# Allegro board Single PMT Data AcquisitionV_3P3.brd (continued)
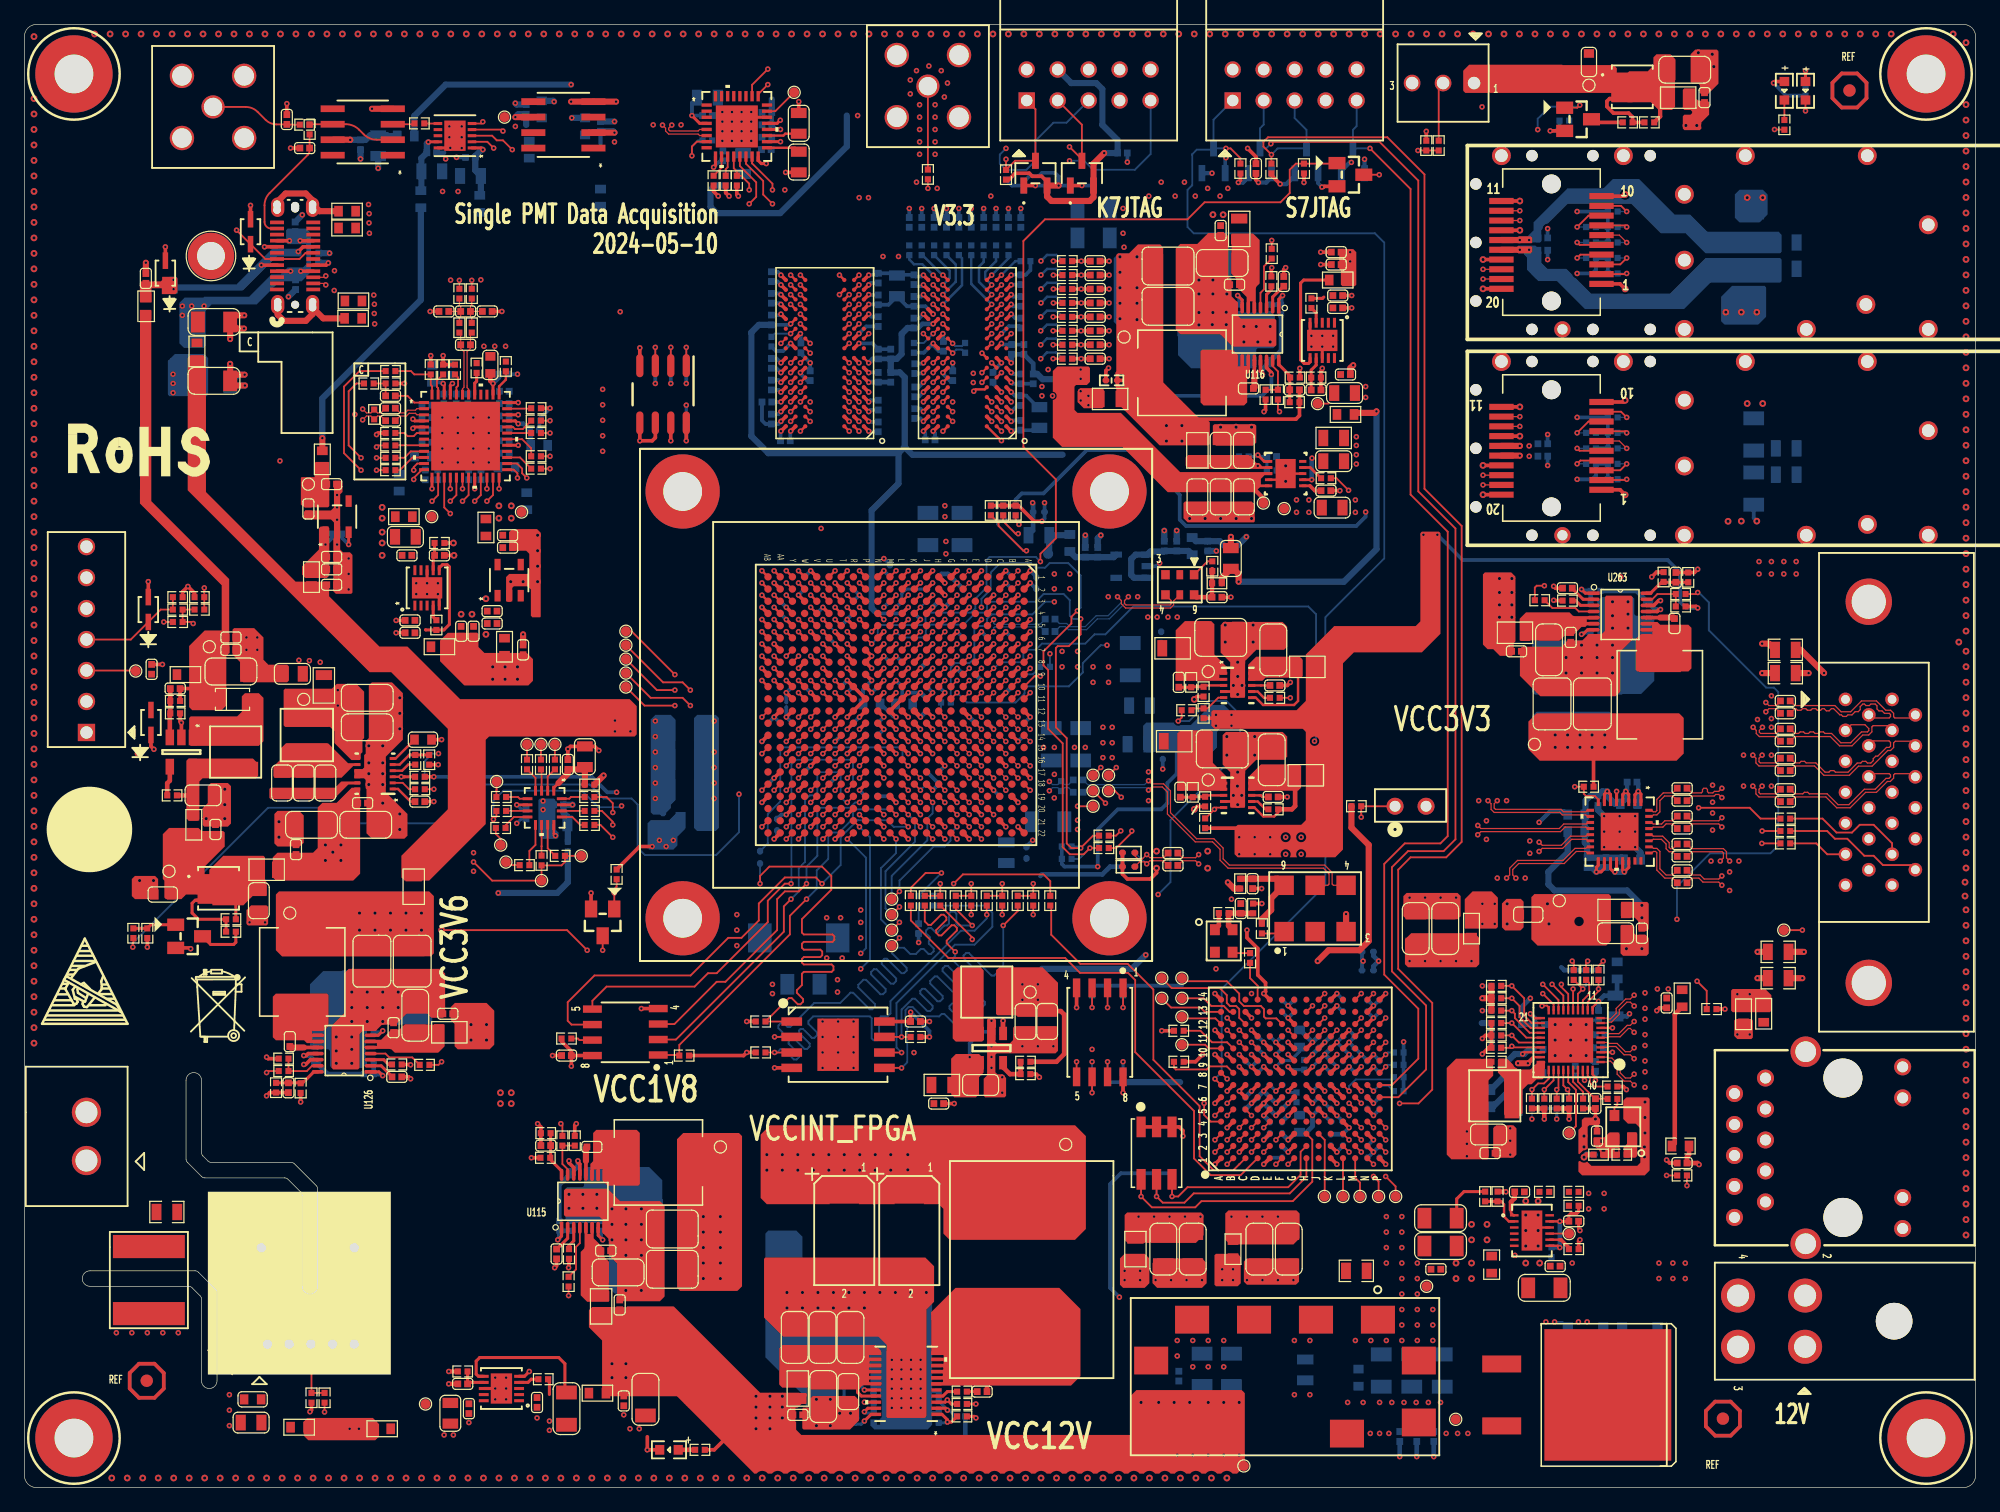
[diagram p0: board, top side]
## Routing (per net, layer and track width the routed paths; a pad name or vN(x,y) marks a point on that pad's centre or on a via; arc(x,y) is an arc through that point) (continued)
AD9265_CSB: length 43.6
  TOP w0.152: U1.W17 v1(63.48,58.19) ; R979.1 v1(43.1,87.5)
  ART03 w0.102: v1(63.48,58.19) 62.84,58.19 61.85,59.18 61.85,61.21 60.88,62.18 60.09,62.18 59.73,61.82 54.9,61.82 49.99,66.73 49.99,78.84 47.93,80.9 47.93,82.23 43.1,87.06 v1(43.1,87.5)
AD9265_DATA0: length 64.4
  TOP w0.152: U1.U21 v1(65.48,54.19) ; R2076.2 v1(28.88,84.45)
  ART03 w0.102: v1(65.48,54.19) 65.02,53.74 65.02,53.09 63.47,51.54 54.43,51.54 53.87,50.98 46.32,50.98 44.23,53.06 44.23,53.75 43.8,54.18 42.84,54.18 41.72,55.3 41.72,57.89 28.7,70.91 28.7,75.6 28.8,75.7 28.86,75.7 28.96,75.8 28.96,76 28.86,76.11 28.8,76.11 28.7,76.21 28.7,82.55 29.36,83.21 29.36,83.97 v1(28.88,84.45)
AD9265_DATA1: length 63.3
  TOP w0.152: R2077.2 v1(28.88,83.44) ; U1.U22 v1(65.48,53.19)
  ART03 w0.102: v1(65.48,53.19) 65.48,52.4 64.26,51.18 54.58,51.18 54.1,50.7 46.2,50.7 43.96,52.95 43.96,53.63 43.69,53.9 42.73,53.9 41.44,55.18 41.44,57.78 28.19,71.02 28.19,82.76 v1(28.88,83.44)
AD9265_DATA2: length 67
  TOP w0.152: U1.W20 v1(63.48,55.19) ; v1(31.92,83.44) 31.92,83.69 32.21,83.98 U102.11
  ART03 w0.102: v1(31.92,83.44) 30.69,83.44 30.51,83.62 30.37,83.62 30.23,83.47 30.23,83.33 30.4,83.15 30.4,83.01 30.07,82.68 30.07,75.72 29.97,75.62 29.6,75.62 29.5,75.51 29.5,75.31 29.6,75.21 29.97,75.21 30.07,75.11 30.07,74.5 29.97,74.4 29.59,74.4 29.49,74.3 29.49,74.09 29.59,73.99 29.97,73.99 30.07,73.89 30.07,73.71 29.26,72.9 29.26,72.42 29.36,72.32 29.72,72.32 29.82,72.22 29.82,72.01 29.72,71.91 29.36,71.91 29.26,71.81 29.26,71.3 30.05,70.51 30.65,70.51 30.89,70.27 30.89,69.52 43,57.4 43,55.27 43.43,54.84 43.93,54.84 44.86,53.92 44.86,53.47 46.79,51.54 53.57,51.54 54.13,52.1 63.02,52.1 63.87,52.95 63.87,54.8 v1(63.48,55.19)
AD9265_DATA3: length 63.8
  TOP w0.152: v1(31.92,82.68) 31.92,82.8 32.6,83.48 U102.12 ; U1.W22 v1(63.48,53.19)
  ART03 w0.102: v1(31.92,82.68) 30.78,82.68 30.48,82.38 30.48,82 30.58,81.89 31.17,81.89 31.27,81.79 31.27,81.59 31.17,81.49 30.51,81.49 30.4,81.39 30.4,81.18 30.51,81.08 31.17,81.08 31.27,80.98 31.27,80.78 31.17,80.67 30.51,80.67 30.4,80.57 30.4,80.37 30.51,80.27 31.17,80.27 31.27,80.17 31.27,79.96 31.17,79.86 30.51,79.86 30.4,79.76 30.4,73.07 30.3,72.97 29.93,72.97 29.83,72.86 29.83,72.66 29.93,72.56 30.3,72.56 30.4,72.46 30.4,71.77 31.17,71.01 31.17,69.65 43.36,57.46 43.36,55.32 43.56,55.12 44.38,55.12 45.21,54.28 45.21,53.57 46.96,51.82 53.1,51.82 53.74,52.45 62.74,52.45 v1(63.48,53.19)
AD9265_DATA4: length 62.9
  TOP w0.152: U102.14 33.93,81.4 v1(33.43,80.9) ; U1.Y22 v1(62.48,53.19)
  ART03 w0.102: v1(33.43,80.9) 32.61,80.09 32.61,77.65 32.51,77.55 31.93,77.55 31.83,77.45 31.83,77.24 31.93,77.14 32.51,77.14 32.61,77.04 32.61,76.84 32.51,76.73 31.93,76.73 31.83,76.63 31.83,76.43 31.93,76.33 32.51,76.33 32.61,76.23 32.61,76.02 32.51,75.92 31.93,75.92 31.83,75.82 31.83,75.62 31.93,75.51 32.51,75.51 32.61,75.41 32.61,72.87 32.51,72.77 31.93,72.77 31.83,72.67 31.83,72.47 31.93,72.36 32.51,72.36 32.61,72.26 32.61,72.06 32.51,71.96 31.93,71.96 31.83,71.86 31.83,71.65 31.93,71.55 32.51,71.55 32.61,71.45 32.61,71.25 32.51,71.15 31.93,71.15 31.83,71.04 31.83,70.84 31.93,70.74 32.51,70.74 32.61,70.64 32.61,70.33 32.51,70.23 32.03,70.23 31.93,70.13 31.93,69.93 32.03,69.82 32.51,69.82 32.61,69.72 32.61,69.04 43.99,57.66 43.99,56.01 44.15,55.85 44.5,55.85 45.95,54.41 45.95,53.8 47.35,52.4 49.1,52.4 50.29,53.59 61.64,53.59 62.04,53.19 v1(62.48,53.19)
AD9265_DATA5: length 69.2
  TOP w0.152: U1.U20 v1(65.48,55.19) ; U102.15 34.43,80.38 v1(34.93,79.88)
  ART03 w0.102: v1(34.93,79.88) 34.62,79.88 34.52,79.78 34.52,79.48 34.42,79.38 33.88,79.38 33.78,79.27 33.78,79.07 33.88,78.97 34.42,78.97 34.52,78.87 34.52,78.56 34.62,78.46 35.81,78.46 35.92,78.36 35.92,78.16 35.81,78.05 34.62,78.05 34.42,77.85 34.22,77.85 34.12,77.75 34.12,77.55 34.22,77.44 34.42,77.44 34.52,77.34 34.52,77.14 34.42,77.04 34.22,77.04 34.12,76.94 34.12,76.73 34.22,76.63 34.42,76.63 34.52,76.53 34.52,76.33 34.42,76.23 34.22,76.23 34.12,76.12 34.12,75.92 34.22,75.82 34.42,75.82 34.52,75.72 34.52,75.34 34.42,75.23 33.55,75.23 33.45,75.13 33.45,74.93 33.55,74.83 34.42,74.83 34.52,74.73 34.52,74.4 34.62,74.3 35.43,74.3 35.53,74.2 35.53,73.99 35.43,73.89 34.62,73.89 34.52,73.79 34.52,73.59 34.62,73.49 35.2,73.49 35.31,73.38 35.31,73.18 35.2,73.08 34.62,73.08 34.52,72.98 34.52,70.05 34.42,69.95 33.62,69.95 33.52,69.84 33.52,69.64 33.62,69.54 34.42,69.54 34.52,69.44 34.52,69.33 34.42,69.23 34.12,69.23 34.02,69.12 34.02,68.92 34.12,68.82 34.42,68.82 34.52,68.72 34.52,68.48 45.25,57.75 45.25,57.05 45.96,56.34 45.96,55.61 46.86,54.71 46.86,54.33 47.4,53.8 48.46,53.8 49.02,54.36 59.96,54.36 60.2,54.59 61.05,54.59 61.92,53.72 62.61,53.72 62.87,53.98 62.87,55.25 63.21,55.59 64.73,55.59 65.2,55.12 65.4,55.12 v1(65.48,55.19)
AD9265_DATA6: length 64.3
  TOP w0.152: U102.16 v1(34.93,81.92) ; U1.W21 v1(63.48,54.19)
  ART03 w0.102: v1(34.93,81.92) 34.52,82.32 33.26,82.32 31.55,80.61 31.55,77.04 31.45,76.94 30.84,76.94 30.73,76.84 30.73,76.64 30.84,76.53 31.45,76.53 31.55,76.43 31.55,76.23 31.45,76.13 30.84,76.13 30.73,76.03 30.73,75.82 30.84,75.72 31.45,75.72 31.55,75.62 31.55,75.42 31.45,75.31 30.84,75.31 30.73,75.21 30.73,75.01 30.84,74.91 31.45,74.91 31.55,74.81 31.55,74.6 31.45,74.5 30.84,74.5 30.73,74.4 30.73,74.2 30.84,74.1 31.45,74.1 31.55,73.99 31.55,69.7 43.66,57.59 43.66,55.52 43.76,55.42 44.47,55.42 45.49,54.4 45.49,53.82 47.19,52.12 53.01,52.12 53.67,52.78 62.69,52.78 62.99,53.09 62.99,53.34 63.08,53.43 63.08,53.8 v1(63.48,54.19)
AD9265_DATA7: length 63.9
  TOP w0.152: v1(34.93,80.9) 35.43,81.4 U102.17 ; U1.AB21 v1(60.48,54.19)
  ART03 w0.102: v1(60.48,54.19) 60.36,54.08 50.14,54.08 48.74,52.68 47.62,52.68 46.43,53.87 46.43,54.61 45.57,55.47 45.57,56.06 44.83,56.79 44.83,57.44 33.12,69.15 33.12,70.27 33.22,70.37 34.14,70.37 34.24,70.47 34.24,70.67 34.14,70.77 33.22,70.77 33.12,70.88 33.12,71.08 33.22,71.18 34.14,71.18 34.24,71.28 34.24,71.48 34.14,71.59 33.22,71.59 33.12,71.69 33.12,71.89 33.22,71.99 34.14,71.99 34.24,72.09 34.24,72.3 34.14,72.4 33.22,72.4 33.12,72.5 33.12,72.81 33.43,73.11 33.43,74.34 32.89,74.87 32.89,75.51 32.99,75.61 33.73,75.61 33.83,75.72 33.83,75.92 33.73,76.02 32.99,76.02 32.89,76.12 32.89,76.33 32.99,76.43 33.73,76.43 33.83,76.53 33.83,76.73 33.73,76.83 32.99,76.83 32.89,76.94 32.89,77.14 32.99,77.24 33.73,77.24 33.83,77.34 33.83,77.55 33.73,77.65 32.99,77.65 32.89,77.75 32.89,77.95 32.99,78.05 33.55,78.05 33.65,78.15 33.65,78.36 33.55,78.46 32.99,78.46 32.89,78.56 32.89,78.87 v1(34.93,80.9)
AD9265_DATA8: length 64.2
  TOP w0.152: U1.Y21 v1(62.48,54.19) ; U102.18 v1(35.93,81.92)
  ART03 w0.102: v1(35.93,81.92) 35.45,81.44 35.45,80.21 35.56,80.11 36.12,80.11 36.22,80.01 36.22,79.8 36.12,79.7 35.56,79.7 35.45,79.6 35.45,79.22 36.2,78.47 36.2,77.78 36.09,77.68 35.79,77.68 35.68,77.58 35.68,77.38 35.79,77.28 36.09,77.28 36.2,77.17 36.2,76.97 36.09,76.87 35.79,76.87 35.68,76.77 35.68,76.56 35.79,76.46 36.09,76.46 36.2,76.36 36.2,75.85 36.09,75.75 35.04,75.75 34.94,75.65 34.94,75.44 35.04,75.34 36.09,75.34 36.2,75.24 36.2,75.08 36.09,74.98 35.76,74.98 35.66,74.88 35.66,74.68 35.76,74.57 36.09,74.57 36.2,74.47 36.2,73.45 34.8,72.05 34.8,71.74 34.9,71.64 35.26,71.64 35.36,71.54 35.36,71.34 35.26,71.24 34.9,71.24 34.8,71.13 34.8,70.79 34.9,70.69 35.71,70.69 35.82,70.59 35.82,70.38 35.71,70.28 34.9,70.28 34.8,70.18 34.8,69.98 34.9,69.88 35.71,69.88 35.82,69.78 35.82,69.57 35.71,69.47 34.9,69.47 34.8,69.37 34.8,68.71 35.01,68.49 35.16,68.49 35.6,68.93 35.74,68.93 35.89,68.79 35.89,68.64 35.45,68.2 35.45,68.06 35.66,67.84 35.8,67.84 36.4,68.44 36.54,68.44 36.69,68.29 36.69,68.15 36.09,67.56 36.09,67.41 45.57,57.94 45.57,57.23 46.51,56.29 46.51,55.47 47.12,54.86 61.81,54.86 v1(62.48,54.19)
AD9265_DATA9: length 69
  TOP w0.152: U1.T18 v1(66.48,57.19) ; v1(35.93,80.9) 36.43,81.4 U102.19
  ART03 w0.102: v1(35.93,80.9) 36.5,80.33 36.5,79.77 36.6,79.67 37.01,79.67 37.11,79.56 37.11,79.36 37.01,79.26 36.6,79.26 36.5,79.16 36.5,78.74 37.39,77.85 37.39,77.55 37.29,77.44 36.58,77.44 36.47,77.34 36.47,77.14 36.58,77.04 37.29,77.04 37.39,76.94 37.39,76.73 37.29,76.63 36.58,76.63 36.47,76.53 36.47,76.33 36.58,76.23 37.29,76.23 37.39,76.12 37.39,75.92 37.29,75.82 36.58,75.82 36.47,75.72 36.47,75.51 36.58,75.41 37.29,75.41 37.39,75.31 37.39,75.11 37.29,75.01 36.58,75.01 36.47,74.9 36.47,74.7 36.58,74.6 37.29,74.6 37.39,74.5 37.39,74.29 37.29,74.19 36.58,74.19 36.47,74.09 36.47,73.89 36.58,73.79 37.29,73.79 37.39,73.69 37.39,72.97 37.29,72.87 36.22,72.87 36.12,72.77 36.12,72.57 36.22,72.47 37.29,72.47 37.39,72.37 37.39,71.27 37.29,71.17 36.7,71.17 36.6,71.06 36.6,70.86 36.7,70.76 37.29,70.76 37.39,70.66 37.39,70.45 37.29,70.35 36.7,70.35 36.6,70.25 36.6,70.05 36.7,69.95 37.29,69.95 37.39,69.84 37.39,69.18 36.88,68.67 36.88,68.53 37.02,68.39 37.17,68.39 37.89,69.11 38.04,69.11 38.94,68.21 38.94,64.96 43.37,60.53 43.48,60.53 47.62,56.39 49.17,56.39 50.41,55.15 61.25,55.15 61.69,55.59 62.73,55.59 63.02,55.88 64.23,55.88 64.31,55.8 65.64,55.8 65.72,55.88 65.91,55.88 66.17,56.13 66.17,56.88 v1(66.48,57.19)
AD9265_DATA10: length 69.4
  TOP w0.152: U102.21 37.43,81.4 v1(36.93,80.9) ; U1.U18 v1(65.48,57.19)
  ART03 w0.102: v1(36.93,80.9) 36.93,80.35 37.39,79.88 37.39,79.25 37.77,78.87 38.3,78.87 38.4,78.77 38.4,78.56 38.3,78.46 37.77,78.46 37.67,78.36 37.67,78.16 37.77,78.05 38.3,78.05 38.4,77.95 38.4,77.75 38.3,77.65 37.77,77.65 37.67,77.55 37.67,77.24 37.77,77.14 39.22,77.14 39.32,77.04 39.32,76.83 39.22,76.73 37.77,76.73 37.67,76.63 37.67,76.43 37.77,76.33 39.22,76.33 39.32,76.23 39.32,76.02 39.22,75.92 37.77,75.92 37.67,75.82 37.67,74.52 38.46,73.74 39.8,73.74 39.9,73.63 39.9,73.43 39.8,73.33 38.46,73.33 38.35,73.23 38.35,72.46 38.25,72.36 38.08,72.36 37.98,72.26 37.98,72.05 38.08,71.95 38.25,71.95 38.35,71.85 38.35,71.65 38.25,71.55 38.08,71.55 37.98,71.45 37.98,71.24 38.08,71.14 38.25,71.14 38.35,71.04 38.35,70.73 38.46,70.63 40.08,70.63 40.18,70.53 40.18,70.33 40.08,70.23 38.46,70.23 38.35,70.12 38.35,69.19 39.12,68.42 39.26,68.42 39.51,68.67 39.65,68.67 39.8,68.52 39.8,68.38 39.55,68.14 39.55,67.99 39.9,67.64 39.9,66.98 40.08,66.8 40.57,66.8 40.89,66.48 40.89,64.82 41.04,64.67 41.04,64.53 40.74,64.23 40.74,64.08 40.89,63.94 41.03,63.94 41.33,64.24 41.48,64.24 41.62,64.09 41.62,63.95 41.32,63.65 41.32,63.51 41.46,63.36 41.61,63.36 41.91,63.66 42.05,63.66 44.97,60.74 44.97,59.8 47.24,57.53 48.63,57.53 50.73,55.43 61.14,55.43 61.51,55.8 62.64,55.8 63.43,56.59 64.87,56.59 v1(65.48,57.19)
AD9265_DATA11: length 69.5
  TOP w0.152: U102.22 v1(37.93,81.92) ; U1.Y19 v1(62.48,56.19)
  ART03 w0.102: v1(37.93,81.92) 37.52,81.51 37.52,80.24 39.29,78.47 39.43,78.47 39.72,78.76 39.86,78.76 40,78.61 40,78.47 39.72,78.19 39.72,78.04 41.4,76.36 41.4,76.06 41.3,75.96 39.8,75.96 39.7,75.85 39.7,75.65 39.8,75.55 41.3,75.55 41.4,75.45 41.4,75.33 41.3,75.23 39.9,75.23 39.79,75.13 39.79,74.92 39.9,74.82 41.3,74.82 41.4,74.72 41.4,73.75 41.3,73.65 40.39,73.65 40.28,73.55 40.28,73.35 40.39,73.24 41.3,73.24 41.4,73.14 41.4,72.84 41.3,72.74 38.89,72.74 38.79,72.63 38.79,72.43 38.89,72.33 41.3,72.33 41.4,72.23 41.4,72.03 41.3,71.92 38.89,71.92 38.79,71.82 38.79,71.62 38.89,71.52 41.3,71.52 41.4,71.42 41.4,69.57 41.3,69.47 39.19,69.47 39.09,69.37 39.09,69.16 39.19,69.06 41.3,69.06 41.4,68.96 41.4,66.86 41.4,66.85 41.4,64.85 45.25,60.99 45.25,60.03 47.37,57.91 48.64,57.91 50.8,55.75 60.96,55.75 61.4,56.19 v1(62.48,56.19)
AD9265_DATA12: length 71
  TOP w0.152: U102.23 38.43,81.4 v1(37.93,80.9) ; U1.U17 v1(65.48,58.19)
  ART03 w0.102: v1(65.48,58.19) 65.02,57.74 65.02,57.15 64.67,56.8 62.13,56.8 61.75,56.42 60.81,56.42 60.64,56.59 59.86,56.59 59.35,56.08 50.87,56.08 48.76,58.19 48.28,58.19 47.55,58.93 46.86,58.93 45.53,60.26 45.53,61.11 42.88,63.77 42.88,66.59 42.77,66.69 42.35,66.69 42.25,66.8 42.25,67 42.35,67.1 42.77,67.1 42.88,67.2 42.88,67.41 42.77,67.51 42.35,67.51 42.25,67.61 42.25,67.81 42.35,67.91 42.77,67.91 42.88,68.01 42.88,68.21 42.77,68.31 42.47,68.31 42.37,68.41 42.37,68.62 42.47,68.72 42.77,68.72 42.88,68.82 42.88,69.12 42.77,69.23 42.04,69.23 41.94,69.33 41.94,69.53 42.04,69.63 42.77,69.63 42.88,69.73 42.88,69.94 42.77,70.04 42.04,70.04 41.94,70.14 41.94,70.34 42.04,70.44 42.77,70.44 42.88,70.55 42.88,70.75 42.77,70.85 42.04,70.85 41.94,70.95 41.94,71.16 42.04,71.26 42.77,71.26 42.88,71.36 42.88,71.56 42.77,71.66 42.04,71.66 41.94,71.77 41.94,71.97 42.04,72.07 42.77,72.07 42.88,72.17 42.88,72.37 42.77,72.48 42.04,72.48 41.94,72.58 41.94,72.78 42.04,72.88 42.77,72.88 42.88,72.98 42.88,73.19 42.77,73.29 42.04,73.29 41.94,73.39 41.94,73.59 42.04,73.7 42.77,73.7 42.88,73.8 42.88,74.16 42.77,74.26 42.66,74.26 42.56,74.36 42.56,74.57 42.66,74.67 42.77,74.67 42.88,74.77 42.88,74.97 42.77,75.08 42.66,75.08 42.56,75.18 42.56,75.38 42.66,75.48 42.77,75.48 42.88,75.58 42.88,75.79 42.77,75.89 42.66,75.89 42.56,75.99 42.56,76.19 42.66,76.29 42.77,76.29 42.88,76.4 42.88,76.6 42.77,76.7 42.66,76.7 42.56,76.8 42.56,77.01 42.66,77.11 42.77,77.11 42.88,77.21 42.88,77.41 42.77,77.51 42.66,77.51 42.56,77.61 42.56,77.82 42.66,77.92 42.77,77.92 42.88,78.02 42.88,78.21 41.94,79.15 41.8,79.15 40.63,77.98 40.49,77.98 40.34,78.12 40.34,78.27 41.51,79.44 41.51,79.58 41.25,79.84 41.1,79.84 40.73,79.47 40.59,79.47 40.45,79.62 40.45,79.76 40.82,80.13 40.82,80.27 39.99,81.1 39.32,81.1 39.22,81.2 39.22,81.39 39.12,81.49 38.91,81.49 38.81,81.39 38.81,81.2 38.71,81.1 38.63,81.1 38.43,80.9 v1(37.93,80.9)
AD9265_DATA13: length 67.6
  TOP w0.152: U102.24 v1(38.93,81.92) ; U1.AB18 v1(60.48,57.19)
  ART03 w0.102: v1(60.48,57.19) 60.27,57.4 57.91,57.4 57.43,56.92 50.42,56.92 48.87,58.47 48.69,58.47 47.73,59.44 46.81,59.44 46.05,60.2 46.05,61.32 44.09,63.27 44.09,64.12 43.99,64.22 43.6,64.22 43.49,64.32 43.49,64.52 43.6,64.62 43.99,64.62 44.09,64.73 44.09,64.93 43.99,65.03 43.6,65.03 43.49,65.13 43.49,65.34 43.6,65.44 43.99,65.44 44.09,65.54 44.09,65.68 43.99,65.78 43.26,65.78 43.15,65.88 43.15,66.09 43.26,66.19 43.99,66.19 44.09,66.29 44.09,66.49 43.99,66.59 43.26,66.59 43.15,66.69 43.15,66.9 43.26,67 43.99,67 44.09,67.1 44.09,67.3 43.99,67.41 43.26,67.41 43.15,67.51 43.15,67.71 43.26,67.81 43.99,67.81 44.09,67.91 44.09,68.12 43.99,68.22 43.26,68.22 43.15,68.32 43.15,68.52 43.26,68.63 43.99,68.63 44.09,68.73 44.09,68.93 43.99,69.03 43.26,69.03 43.15,69.13 43.15,69.34 43.26,69.44 43.99,69.44 44.09,69.54 44.09,69.74 43.99,69.84 43.26,69.84 43.15,69.95 43.15,70.15 43.26,70.25 43.99,70.25 44.09,70.35 44.09,70.56 43.99,70.66 43.26,70.66 43.15,70.76 43.15,70.96 43.26,71.06 43.99,71.06 44.09,71.17 44.09,71.37 43.99,71.47 43.26,71.47 43.15,71.57 43.15,71.77 43.26,71.88 43.99,71.88 44.09,71.98 44.09,72.18 43.99,72.28 43.26,72.28 43.15,72.38 43.15,72.59 43.26,72.69 43.99,72.69 44.09,72.79 44.09,72.99 43.99,73.1 43.26,73.1 43.15,73.2 43.15,73.4 43.26,73.5 43.99,73.5 44.09,73.6 44.09,73.81 43.99,73.91 43.26,73.91 43.15,74.01 43.15,74.21 43.26,74.31 43.99,74.31 44.09,74.42 44.09,74.62 43.99,74.72 43.26,74.72 43.15,74.82 43.15,75.03 43.26,75.13 43.99,75.13 44.09,75.23 44.09,75.43 43.99,75.53 43.26,75.53 43.15,75.64 43.15,75.84 43.26,75.94 43.99,75.94 44.09,76.04 44.09,76.25 43.99,76.35 43.26,76.35 43.15,76.45 43.15,76.65 43.26,76.75 43.99,76.75 44.09,76.85 44.09,77.39 39.57,81.92 v1(38.93,81.92)
AD9265_DATA14: length 68.9
  TOP w0.152: v1(40.43,82.8) 40.43,83.19 40.13,83.48 U102.25 ; U1.Y18 v1(62.48,57.19)
  ART03 w0.102: v1(40.43,82.8) 40.43,82.48 41.04,81.87 41.04,81.72 40.67,81.35 40.67,81.21 40.82,81.07 40.96,81.07 41.33,81.44 41.47,81.44 41.62,81.29 41.62,81.15 41.25,80.78 41.25,80.63 41.39,80.49 41.53,80.49 41.91,80.86 42.05,80.86 42.19,80.72 42.19,80.57 41.82,80.2 41.82,80.06 41.97,79.92 42.11,79.92 42.48,80.29 42.62,80.29 42.77,80.14 42.77,80 42.4,79.63 42.4,79.48 42.54,79.34 42.68,79.34 43.06,79.71 43.2,79.71 43.34,79.57 43.34,79.42 42.97,79.05 42.97,78.91 43.12,78.76 43.26,78.76 43.63,79.14 43.77,79.14 44.93,77.98 44.93,77.37 45.03,77.27 45.73,77.27 45.83,77.16 45.83,76.96 45.73,76.86 45.03,76.86 44.93,76.76 44.93,76.56 45.03,76.45 45.73,76.45 45.83,76.35 45.83,76.15 45.73,76.05 45.03,76.05 44.93,75.95 44.93,75.74 45.03,75.64 45.73,75.64 45.83,75.54 45.83,75.34 45.73,75.23 45.03,75.23 44.93,75.13 44.93,74.71 45.03,74.61 47.04,74.61 47.14,74.5 47.14,74.3 47.04,74.2 45.03,74.2 44.93,74.1 44.93,73.89 45.03,73.79 47.04,73.79 47.14,73.69 47.14,73.49 47.04,73.39 45.03,73.39 44.93,73.28 44.93,73.08 45.03,72.98 47.04,72.98 47.14,72.88 47.14,72.67 47.04,72.57 45.03,72.57 44.93,72.47 44.93,72.16 45.03,72.06 45.77,72.06 45.87,71.96 45.87,71.76 45.77,71.65 45.03,71.65 44.93,71.55 44.93,71.35 45.03,71.25 45.56,71.25 45.66,71.15 45.66,70.95 45.56,70.85 45.03,70.85 44.93,70.74 44.93,70.54 45.03,70.44 45.03,70.03 44.93,69.93 44.93,67.36 50.34,61.95 50.34,60.38 51.06,59.65 52.89,59.65 54.25,58.29 56.63,58.29 57.14,57.78 60.45,57.78 60.96,57.28 60.96,56.9 61.09,56.77 61.72,56.77 62.15,57.19 v1(62.48,57.19)
AD9265_DATA15: length 68.5
  TOP w0.152: U102.26 40.4,83.98 40.81,83.57 40.81,83.19 v1(41.2,82.8) ; U1.AA18 v1(61.48,57.19)
  ART03 w0.102: v1(61.48,57.19) 61.43,57.19 59.99,58.63 55.28,58.63 51.52,62.38 51.32,62.38 47.42,66.28 47.42,70.4 47.32,70.51 46.6,70.51 46.5,70.61 46.5,70.81 46.6,70.91 47.32,70.91 47.42,71.01 47.42,71.22 47.32,71.32 46.6,71.32 46.5,71.42 46.5,71.62 46.6,71.72 47.32,71.72 47.42,71.83 47.42,75.49 47.76,75.83 47.76,75.98 48.62,76.84 48.62,76.98 48.48,77.12 48.33,77.12 47.48,76.27 47.33,76.27 47.19,76.41 47.19,76.55 48.05,77.41 48.05,77.56 47.9,77.7 47.76,77.7 46.9,76.84 46.76,76.84 46.61,76.98 46.61,77.13 47.47,77.99 47.47,78.13 47.33,78.27 47.18,78.27 46.33,77.42 46.18,77.42 46.04,77.56 46.04,77.7 46.9,78.56 46.9,78.71 46.75,78.85 46.61,78.85 45.75,77.99 45.61,77.99 45.46,78.13 45.46,78.28 46.32,79.14 46.32,79.28 46.18,79.42 46.03,79.42 45.17,78.57 45.03,78.57 44.89,78.71 44.89,78.85 45.75,79.71 45.75,79.86 45.6,80 45.46,80 44.6,79.14 44.46,79.14 44.31,79.28 44.31,79.43 45.17,80.29 45.17,80.43 45.03,80.57 44.88,80.57 44.02,79.72 43.88,79.72 43.74,79.86 43.74,80 44.6,80.86 44.6,81.01 44.45,81.15 44.31,81.15 43.45,80.29 43.31,80.29 43.16,80.43 43.16,80.58 44.02,81.44 44.02,81.58 43.88,81.72 43.73,81.72 42.87,80.87 42.73,80.87 42.59,81.01 42.59,81.15 43.45,82.01 43.45,82.16 43.23,82.37 41.63,82.37 v1(41.2,82.8)
AD9265_DCO: length 65
  TOP w0.152: R970.2 29,85.47 v1(28.88,85.34) ; U1.V20 v1(64.48,55.19)
  ART03 w0.102: v1(28.88,85.34) 29.64,84.58 29.64,80.74 29.79,80.58 29.79,76.24 28.98,75.43 28.98,71.03 42.09,57.92 42.09,55.4 42.93,54.56 43.82,54.56 44.58,53.8 44.58,53.24 46.56,51.26 53.68,51.26 54.24,51.82 63.35,51.82 64.08,52.55 64.08,54.8 v1(64.48,55.19)
AD9265_OR: length 35.2
  TOP w0.152: U1.AB15 v1(60.48,60.19) ; R972.2 v1(43.1,83.57)
  ART03 w0.102: v1(60.48,60.19) 59.94,60.73 54.44,60.73 48.9,66.27 48.9,77.12 43.1,82.92 v1(43.1,83.57)
AD9265_PDWN: length 75.9
  TOP w0.152: U1.T21 v1(66.48,54.19) ; R973.2 27.48,91.57 26.21,90.3 26.21,84.84 v1(27.61,83.44)
  ART03 w0.102: v1(66.48,54.19) 65.87,53.59 65.87,52.15 64.52,50.8 54.69,50.8 54.1,50.22 46.01,50.22 41.11,55.12 41.11,57.71 27.61,71.22 v1(27.61,83.44)
AD9265_SCLK: length 48.9
  TOP w0.152: U1.V19 v1(64.48,56.19) ; R977.1 v1(43.1,86.49)
  ART03 w0.102: v1(64.48,56.19) 64.83,56.19 65.23,56.59 65.61,56.59 65.91,56.9 65.91,58.31 65.64,58.59 65.04,58.59 64.36,57.91 63.75,57.91 63.64,57.8 63.31,57.8 63.2,57.91 62.64,57.91 61.44,59.11 61.44,60.86 60.62,61.68 60.19,61.68 59.93,61.42 54.73,61.42 49.59,66.56 49.59,78.67 43.1,85.16 v1(43.1,86.49)
AD9265_SDIO: length 42.7
  TOP w0.152: R978.1 v1(43.1,84.58) ; U1.V18 v1(64.48,57.19)
  ART03 w0.102: v1(64.48,57.19) 64.14,57.53 63.7,57.53 63.64,57.59 63.31,57.59 63.26,57.53 62.7,57.53 62.44,57.78 61.21,57.78 60.96,58.04 60.96,60.4 60.56,60.8 60.27,60.8 60.06,61.01 54.56,61.01 49.18,66.39 49.18,78.06 43.1,84.14 v1(43.1,84.58)
AD9265_SYNC: length 75.9
  TOP w0.152: R1932.1 27.23,90.55 26.59,89.91 26.59,85.47 v1(27.61,84.45) ; U1.T20 v1(66.48,55.19)
  ART03 w0.102: v1(66.48,55.19) 66.48,54.88 66.87,54.48 66.87,53.82 66.77,53.72 66.45,53.72 66.08,53.36 66.08,53.03 66.29,52.82 66.29,52.81 66.31,52.79 66.31,52.09 64.59,50.37 55.19,50.37 54.71,49.89 45.95,49.89 40.78,55.05 40.78,57.65 27.32,71.1 27.32,82.07 26.97,82.42 26.97,83.82 v1(27.61,84.45)
ADC_VIN1+: length 5.3
  TOP w0.102: L163.2 36.58,94.61 C2012.1 36.58,93.43 36.3,93.16 36.3,90.35 36.3,90.21 36.43,90.09 U102.42
ADC_VIN1-: length 5.3
  TOP w0.102: L164.2 35.78,94.61 C2012.2 35.78,93.42 36.05,93.16 36.05,90.35 36.05,90.24 35.93,90.11 U102.43
ANG_IN_+: length 15.2
  TOP w0.102: R965.1 v1(36.69,99.01) ; v1(24.71,98.64) 24.59,98.76 J2.B11
  ART06 w0.102: v1(24.71,98.64) 25.16,98.64 25.33,98.8 30.16,98.8 31.3,97.66 35.94,97.66 36.38,98.1 36.38,98.71 v1(36.69,99.01)
ANG_IN_-: length 14.5
  TOP w0.102: v1(24.71,99.38) 24.6,99.26 J2.B10 ; R966.1 v1(35.67,99.01)
  ART06 w0.102: v1(24.71,99.38) 25.16,99.38 25.33,99.21 30.33,99.21 31.47,98.07 35.77,98.07 35.97,98.27 35.97,98.71 v1(35.67,99.01)
CLK_SEL: length 75.5
  TOP w0.152: v1(109.62,54.98) R2120.2 J77.1 ; U1.D20 v1(79.48,55.19) ; R2126.2 v1(142.49,53.85)
  ART03 w0.102: v1(79.48,55.19) 80,54.67 84.5,54.67 85.7,53.47 87.88,53.47 89.51,55.09 93.24,55.09 93.95,54.38 109.02,54.38 v1(109.62,54.98) 111.87,52.73 115.45,52.73 119.36,48.83 133.32,48.83 137.99,53.49 142.14,53.49 v1(142.49,53.85)
DDR3_A_A0: length 71.1
  TOP w0.203: U1.AB5 v1(60.48,71.19) ; U75.N3 v1(67.64,97.04) ; U76.N3 v1(79.32,97.04)
  ART06 w0.178: v1(60.48,71.19) 60.05,71.62 60.05,72.37 60.43,72.76 60.66,72.76 61.05,73.15 61.05,73.37 61.3,73.62 61.56,73.62 62.05,74.11 62.05,74.37 62.3,74.62 62.56,74.62 62.99,75.06 62.99,75.32 62.8,75.51 62.8,75.76 63.13,76.09 63.13,76.34 62.87,76.6 62.62,76.6 62.29,76.27 62.04,76.27 61.77,76.54 61.77,78.34 61.37,78.74 61.37,79.28 61.19,79.46 60.29,79.46 60.11,79.64 60.11,79.99 60.29,80.17 61.19,80.17 61.37,80.35 61.37,82.29 61.54,82.47 62.88,82.47 63.06,82.65 63.06,83 62.88,83.18 61.54,83.18 61.37,83.36 61.37,83.71 61.54,83.89 63.27,83.89 63.45,84.07 63.45,84.42 63.27,84.6 61.54,84.6 61.37,84.78 61.37,85.14 61.54,85.31 63.27,85.31 63.45,85.49 63.45,85.85 63.27,86.02 61.54,86.02 61.37,86.2 61.37,86.49 61.19,86.67 60.43,86.67 60.25,86.85 60.25,87.2 60.43,87.38 61.19,87.38 61.37,87.56 61.37,88.45 61.13,88.68 61.13,89.16 61.37,89.39 61.37,89.64 61.6,89.87 61.6,90.25 61.42,90.43 61.33,90.43 61.15,90.61 61.15,90.96 61.33,91.14 61.42,91.14 61.6,91.32 61.6,91.59 61.42,91.77 60.37,91.77 60.19,91.95 60.19,92.3 60.37,92.48 61.42,92.48 61.77,92.84 62.01,92.84 62.19,93.01 62.19,93.23 62.37,93.41 62.73,93.41 62.9,93.23 62.9,93.01 63.08,92.84 63.42,92.84 63.6,93.01 63.6,93.85 64.52,94.77 64.52,95.67 65.88,97.04 v1(67.64,97.04)
  ART08 w0.102: v1(67.64,97.04) 68.04,97.44 70.84,97.44 70.94,97.34 70.94,97.33 71.04,97.23 71.24,97.23 71.35,97.33 71.35,97.34 71.45,97.44 78.92,97.44 v1(79.32,97.04)
  BOTTOM w0.203: v1(79.32,97.04) 77.64,98.71 R460.2
DDR3_A_A1: length 70.8
  TOP w0.203: U1.AA8 v1(61.48,68.19) ; U76.P7 v1(75.32,97.84) ; U75.P7 v1(63.63,97.84)
  ART03 w0.102: v1(63.63,97.84) 64.52,97.84 65.72,99.04 70.03,99.04 70.13,98.94 70.13,98.77 70.23,98.67 70.44,98.67 70.54,98.77 70.54,98.94 70.64,99.04 72.46,99.04 73.26,98.24 74.75,98.24 75.15,97.84 v1(75.32,97.84)
  ART06 w0.102: v1(63.63,97.84) 63.98,97.84 64.18,97.64 64.18,96.85 63.97,96.64 61.81,96.64
  ART06 w0.178: v1(61.48,68.19) 60.99,68.67 57.92,68.67 57.52,69.08 57.52,74.06 57.79,74.33 58.57,74.33 58.75,74.51 58.75,74.86 58.57,75.04 57.79,75.04 57.61,75.22 57.61,75.6 57.79,75.78 60.15,75.78 60.33,75.96 60.33,76.31 60.15,76.49 57.79,76.49 57.61,76.67 57.61,77.02 57.79,77.2 60.15,77.2 60.33,77.38 60.33,77.73 60.15,77.91 57.79,77.91 57.61,78.09 57.61,78.47 58.33,79.19 58.33,95.99 58.98,96.64 59.25,96.64 59.42,96.82 59.42,97.05 59.6,97.22 59.96,97.22 60.14,97.05 60.14,96.82 60.31,96.64 61.81,96.64
  BOTTOM w0.203: v1(75.32,97.84) 76.37,98.89 76.37,100.31 R461.2
DDR3_A_A2: length 70.6
  TOP w0.203: U76.P3 v1(79.32,97.84) ; U75.P3 v1(67.64,97.84) ; U1.W11 v1(63.48,65.19)
  ART08 w0.102: v1(79.32,97.84) 78.92,98.24 68.04,98.24 v1(67.64,97.84) 67.23,97.43 65.64,97.43 64.83,98.24 61.64,98.24
  ART08 w0.165: 61.64,98.24 60.52,98.24 53.44,91.16 53.44,90.37 51.56,88.48 51.56,71.73 58.6,64.69 62.98,64.69 v1(63.48,65.19)
  BOTTOM w0.203: R462.2 78.66,100.51 78.28,100.13 78.28,98.88 v1(79.32,97.84)
DDR3_A_A3: length 73.1
  TOP w0.203: U1.AA6 v1(61.48,70.19) ; U75.N2 v1(68.44,97.04) ; R463.2 v1(84.38,98.3) ; U76.N2 v1(80.12,97.04)
  ART06 w0.102: v1(84.38,98.3) 83.87,97.79 82.85,97.79 82.5,97.44 80.52,97.44 v1(80.12,97.04) U76.N2 68.84,96.64 v1(68.44,97.04) U75.N2 67.38,96.64
  ART06 w0.178: 67.38,96.64 66.24,96.64 64.87,95.27 64.87,94.91 65.05,94.74 65.89,94.74 66.07,94.56 66.07,94.2 65.89,94.03 65.05,94.03 64.87,93.85 64.87,93.49 65.05,93.31 65.89,93.31 66.07,93.14 66.07,92.78 65.89,92.6 65.05,92.6 64.87,92.42 64.87,92.07 65.05,91.89 65.89,91.89 66.07,91.71 66.07,91.36 65.89,91.18 65.05,91.18 64.87,91 64.87,90.65 65.05,90.47 65.89,90.47 66.07,90.29 66.07,89.94 65.89,89.76 65.05,89.76 64.87,89.58 64.87,89.22 65.05,89.05 65.64,89.05 65.82,88.87 65.82,88.51 65.64,88.34 65.05,88.34 64.87,88.16 64.87,87.26 63.93,86.32 63.93,81.8 63.75,81.62 62.2,81.62 62.02,81.45 62.02,81.09 62.2,80.91 63.75,80.91 63.93,80.73 63.93,80.38 63.75,80.2 62.2,80.2 62.02,80.02 62.02,79.67 62.2,79.49 63.75,79.49 63.93,79.31 63.93,79.14 63.75,78.96 62.46,78.96 62.28,78.79 62.28,78.43 62.46,78.25 63.75,78.25 63.93,78.07 63.93,77.89 63.75,77.71 62.48,77.71 62.3,77.53 62.3,77.18 62.48,77 63.75,77 63.93,76.82 63.93,75.04 63.52,74.62 63.09,74.62 62.99,74.53 62.99,74.1 62.66,73.76 62.2,73.76 61.91,73.47 61.91,73.01 61.52,72.62 61.3,72.62 60.96,72.29 60.96,70.71 v1(61.48,70.19)
